# Altium PCB Tag201_GangProgrammerRev1.PcbDoc (part 5 of 7)
Units mil, origin at the board's own origin, x right, y up, seen from the top; angles counter-clockwise.
Board outline 10400 x 10885 mil, 4 copper layers (Top Layer, VCC, GND, Bottom Layer), stack 67.2 mil thick; 874 components, 385 nets, 2980 pads, 650 vias.
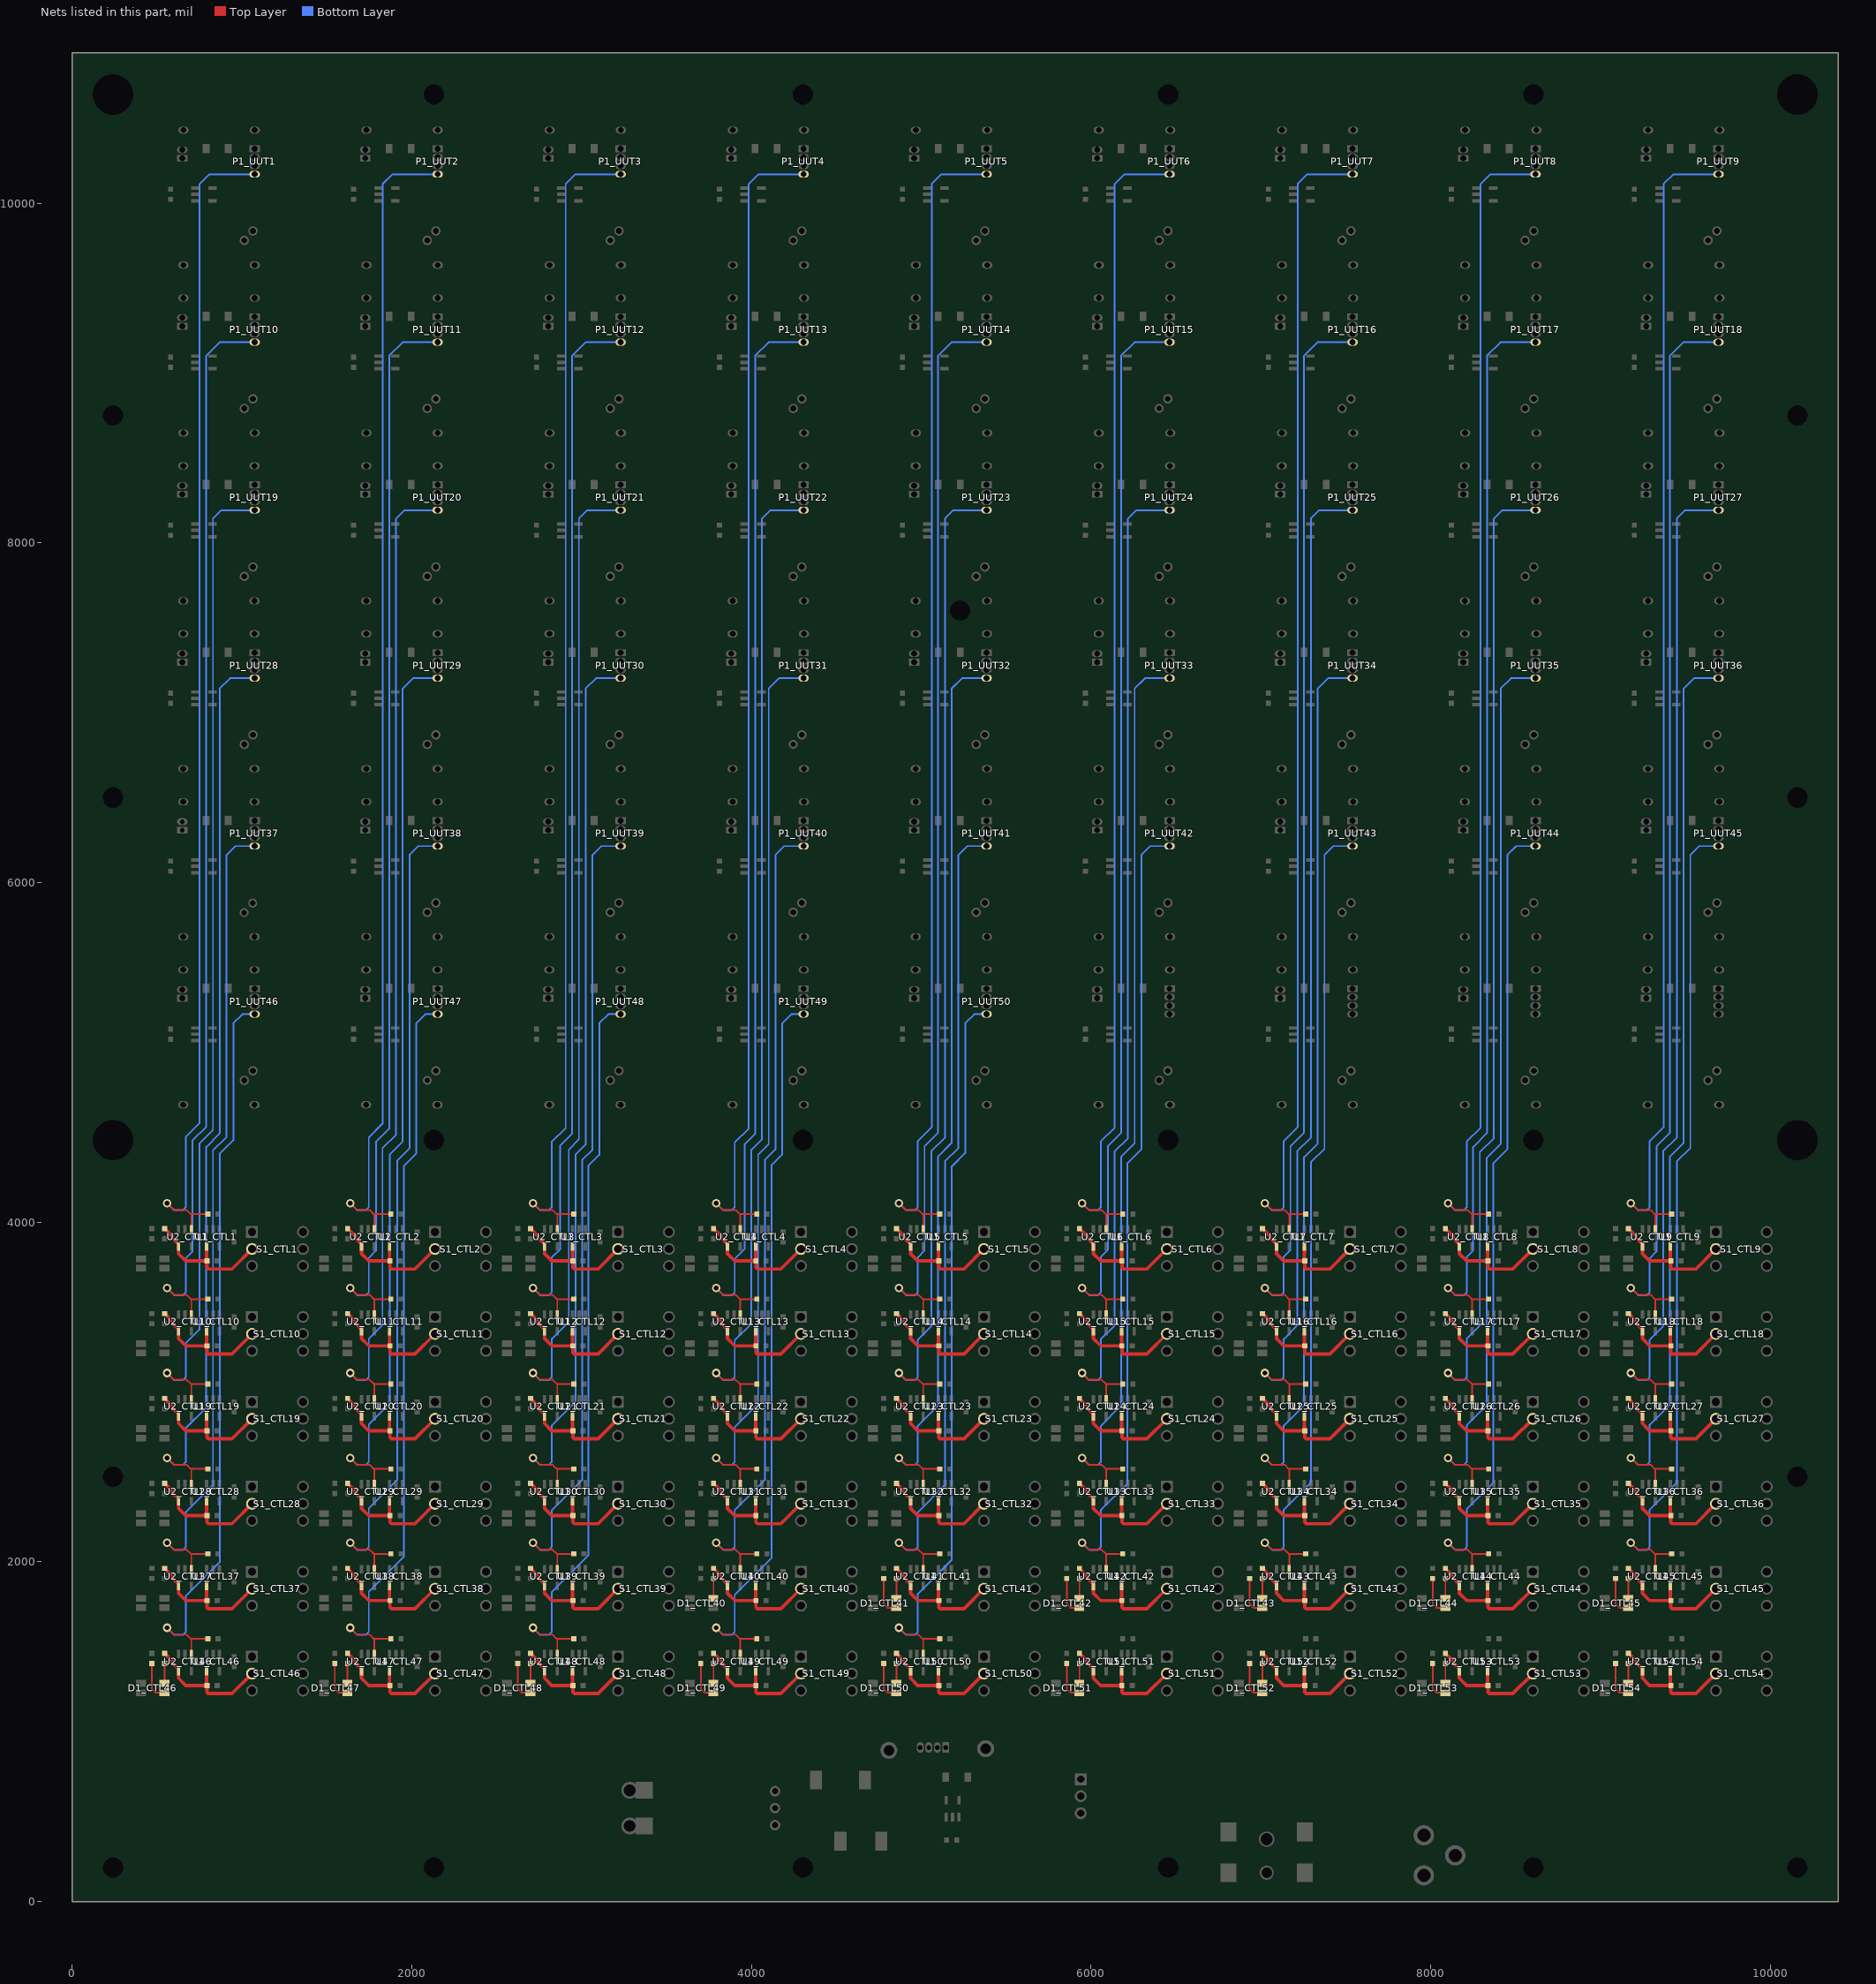
[diagram p7: the nets of this part, all layers, seen from the top]

## Via types
v1: diameter 50, hole 28, Top Layer to Bottom Layer, tented both sides, 650 vias

## Nets (pads, with @x,y where several pads share a name; then routed paths per layer and width w, separated by ;. In a path a pad name is that pad's centre, name@x,y a point inside that pad or via, vN(x,y) a via of type N, cw(c..) or ccw(c..) an arc to the next point about the centre after c; other vN are vias at no path point) (continued)
NetD1_CTL40_2: D1_CTL40.2 R2_CTL40.1 | length 116.3
  Top Layer w10: D1_CTL40.2@3776.5,1785.66 R2_CTL40.1@3776.5,1902
NetD1_CTL41_1: D1_CTL41.1 R1_CTL41.1 | length 233.2
  Top Layer w10: R1_CTL41.1@4779,1902 4779,1752 4801.56,1729.44 D1_CTL41.1@4852.9,1729.44
NetD1_CTL41_2: D1_CTL41.2 R2_CTL41.1 | length 116.3
  Top Layer w10: D1_CTL41.2@4854,1785.66 R2_CTL41.1@4854,1902
NetD1_CTL42_1: D1_CTL42.1 R1_CTL42.1 | length 233.2
  Top Layer w10: R1_CTL42.1@5856.5,1902 5856.5,1752 5879.06,1729.44 D1_CTL42.1@5930.4,1729.44
NetD1_CTL42_2: D1_CTL42.2 R2_CTL42.1 | length 116.3
  Top Layer w10: D1_CTL42.2@5931.5,1785.66 R2_CTL42.1@5931.5,1902
NetD1_CTL43_1: D1_CTL43.1 R1_CTL43.1 | length 233.2
  Top Layer w10: R1_CTL43.1@6934,1902 6934,1752 6956.56,1729.44 D1_CTL43.1@7007.9,1729.44
NetD1_CTL43_2: D1_CTL43.2 R2_CTL43.1 | length 116.3
  Top Layer w10: D1_CTL43.2@7009,1785.66 R2_CTL43.1@7009,1902
NetD1_CTL44_1: D1_CTL44.1 R1_CTL44.1 | length 233.2
  Top Layer w10: R1_CTL44.1@8011.5,1902 8011.5,1752 8034.06,1729.44 D1_CTL44.1@8085.4,1729.44
NetD1_CTL44_2: D1_CTL44.2 R2_CTL44.1 | length 116.3
  Top Layer w10: D1_CTL44.2@8086.5,1785.66 R2_CTL44.1@8086.5,1902
NetD1_CTL45_1: D1_CTL45.1 R1_CTL45.1 | length 233.2
  Top Layer w10: R1_CTL45.1@9089,1902 9089,1752 9111.56,1729.44 D1_CTL45.1@9162.9,1729.44
NetD1_CTL45_2: D1_CTL45.2 R2_CTL45.1 | length 116.3
  Top Layer w10: D1_CTL45.2@9164,1785.66 R2_CTL45.1@9164,1902
NetD1_CTL46_1: D1_CTL46.1 R1_CTL46.1 | length 233.2
  Top Layer w10: R1_CTL46.1@469,1402 469,1252 491.56,1229.44 D1_CTL46.1@542.9,1229.44
NetD1_CTL46_2: D1_CTL46.2 R2_CTL46.1 | length 116.3
  Top Layer w10: D1_CTL46.2@544,1285.66 R2_CTL46.1@544,1402
NetD1_CTL47_1: D1_CTL47.1 R1_CTL47.1 | length 233.2
  Top Layer w10: R1_CTL47.1@1546.5,1402 1546.5,1252 1569.06,1229.44 D1_CTL47.1@1620.4,1229.44
NetD1_CTL47_2: D1_CTL47.2 R2_CTL47.1 | length 116.3
  Top Layer w10: D1_CTL47.2@1621.5,1285.66 R2_CTL47.1@1621.5,1402
NetD1_CTL48_1: D1_CTL48.1 R1_CTL48.1 | length 233.2
  Top Layer w10: R1_CTL48.1@2624,1402 2624,1252 2646.56,1229.44 D1_CTL48.1@2697.9,1229.44
NetD1_CTL48_2: D1_CTL48.2 R2_CTL48.1 | length 116.3
  Top Layer w10: D1_CTL48.2@2699,1285.66 R2_CTL48.1@2699,1402
NetD1_CTL49_1: D1_CTL49.1 R1_CTL49.1 | length 233.2
  Top Layer w10: R1_CTL49.1@3701.5,1402 3701.5,1252 3724.06,1229.44 D1_CTL49.1@3775.4,1229.44
NetD1_CTL49_2: D1_CTL49.2 R2_CTL49.1 | length 116.3
  Top Layer w10: D1_CTL49.2@3776.5,1285.66 R2_CTL49.1@3776.5,1402
NetD1_CTL50_1: D1_CTL50.1 R1_CTL50.1 | length 233.2
  Top Layer w10: R1_CTL50.1@4779,1402 4779,1252 4801.56,1229.44 D1_CTL50.1@4852.9,1229.44
NetD1_CTL50_2: D1_CTL50.2 R2_CTL50.1 | length 116.3
  Top Layer w10: D1_CTL50.2@4854,1285.66 R2_CTL50.1@4854,1402
NetD1_CTL51_1: D1_CTL51.1 R1_CTL51.1 | length 233.2
  Top Layer w10: R1_CTL51.1@5856.5,1402 5856.5,1252 5879.06,1229.44 D1_CTL51.1@5930.4,1229.44
NetD1_CTL51_2: D1_CTL51.2 R2_CTL51.1 | length 116.3
  Top Layer w10: D1_CTL51.2@5931.5,1285.66 R2_CTL51.1@5931.5,1402
NetD1_CTL52_1: D1_CTL52.1 R1_CTL52.1 | length 233.2
  Top Layer w10: R1_CTL52.1@6934,1402 6934,1252 6956.56,1229.44 D1_CTL52.1@7007.9,1229.44
NetD1_CTL52_2: D1_CTL52.2 R2_CTL52.1 | length 116.3
  Top Layer w10: D1_CTL52.2@7009,1285.66 R2_CTL52.1@7009,1402
NetD1_CTL53_1: D1_CTL53.1 R1_CTL53.1 | length 233.2
  Top Layer w10: R1_CTL53.1@8011.5,1402 8011.5,1252 8034.06,1229.44 D1_CTL53.1@8085.4,1229.44
NetD1_CTL53_2: D1_CTL53.2 R2_CTL53.1 | length 116.3
  Top Layer w10: D1_CTL53.2@8086.5,1285.66 R2_CTL53.1@8086.5,1402
NetD1_CTL54_1: D1_CTL54.1 R1_CTL54.1 | length 233.2
  Top Layer w10: R1_CTL54.1@9089,1402 9089,1252 9111.56,1229.44 D1_CTL54.1@9162.9,1229.44
NetD1_CTL54_2: D1_CTL54.2 R2_CTL54.1 | length 116.3
  Top Layer w10: D1_CTL54.2@9164,1285.66 R2_CTL54.1@9164,1402
NetR2_CTL1_2: R2_CTL1.2 R3_CTL1.1 S1_CTL1.2 U1_CTL1.4 U2_CTL1.4 | length 814.9
  Top Layer w10: R3_CTL1.1@791.5,3769.5 791.5,3772 R3_CTL1.1@791.5,3774.5
  Top Layer w20: R2_CTL1.2@544,3962 589,3917 589,3907 626.5,3869.5 U2_CTL1.4@626.5,3857 626.5,3814.5 669,3772 791.5,3772 R3_CTL1.1@794,3772 ; U1_CTL1.4@791.5,3857 791.5,3774.5 R3_CTL1.1@794,3772 ; S1_CTL1.2@1059,3842 941.09,3724.09 801.91,3724.09 794,3732 R3_CTL1.1@794,3772
NetR2_CTL2_2: R2_CTL2.2 R3_CTL2.1 S1_CTL2.2 U1_CTL2.4 U2_CTL2.4 | length 814.9
  Top Layer w10: R3_CTL2.1@1869,3769.5 1869,3772 R3_CTL2.1@1869,3774.5
  Top Layer w20: R2_CTL2.2@1621.5,3962 1666.5,3917 1666.5,3907 1704,3869.5 U2_CTL2.4@1704,3857 1704,3814.5 1746.5,3772 1869,3772 R3_CTL2.1@1871.5,3772 ; U1_CTL2.4@1869,3857 1869,3774.5 R3_CTL2.1@1871.5,3772 ; S1_CTL2.2@2136.5,3842 2018.59,3724.09 1879.41,3724.09 1871.5,3732 R3_CTL2.1@1871.5,3772
NetR2_CTL3_2: R2_CTL3.2 R3_CTL3.1 S1_CTL3.2 U1_CTL3.4 U2_CTL3.4 | length 814.9
  Top Layer w10: R3_CTL3.1@2946.5,3769.5 2946.5,3772 R3_CTL3.1@2946.5,3774.5
  Top Layer w20: R2_CTL3.2@2699,3962 2744,3917 2744,3907 2781.5,3869.5 U2_CTL3.4@2781.5,3857 2781.5,3814.5 2824,3772 2946.5,3772 R3_CTL3.1@2949,3772 ; U1_CTL3.4@2946.5,3857 2946.5,3774.5 R3_CTL3.1@2949,3772 ; S1_CTL3.2@3214,3842 3096.09,3724.09 2956.91,3724.09 2949,3732 R3_CTL3.1@2949,3772
NetR2_CTL4_2: R2_CTL4.2 R3_CTL4.1 S1_CTL4.2 U1_CTL4.4 U2_CTL4.4 | length 814.9
  Top Layer w10: R3_CTL4.1@4024,3769.5 4024,3772 R3_CTL4.1@4024,3774.5
  Top Layer w20: R2_CTL4.2@3776.5,3962 3821.5,3917 3821.5,3907 3859,3869.5 U2_CTL4.4@3859,3857 3859,3814.5 3901.5,3772 4024,3772 R3_CTL4.1@4026.5,3772 ; U1_CTL4.4@4024,3857 4024,3774.5 R3_CTL4.1@4026.5,3772 ; S1_CTL4.2@4291.5,3842 4173.59,3724.09 4034.41,3724.09 4026.5,3732 R3_CTL4.1@4026.5,3772
NetR2_CTL5_2: R2_CTL5.2 R3_CTL5.1 S1_CTL5.2 U1_CTL5.4 U2_CTL5.4 | length 814.9
  Top Layer w10: R3_CTL5.1@5101.5,3769.5 5101.5,3772 R3_CTL5.1@5101.5,3774.5
  Top Layer w20: R2_CTL5.2@4854,3962 4899,3917 4899,3907 4936.5,3869.5 U2_CTL5.4@4936.5,3857 4936.5,3814.5 4979,3772 5101.5,3772 R3_CTL5.1@5104,3772 ; U1_CTL5.4@5101.5,3857 5101.5,3774.5 R3_CTL5.1@5104,3772 ; S1_CTL5.2@5369,3842 5251.09,3724.09 5111.91,3724.09 5104,3732 R3_CTL5.1@5104,3772
NetR2_CTL6_2: R2_CTL6.2 R3_CTL6.1 S1_CTL6.2 U1_CTL6.4 U2_CTL6.4 | length 814.9
  Top Layer w10: R3_CTL6.1@6179,3769.5 6179,3772 R3_CTL6.1@6179,3774.5
  Top Layer w20: R2_CTL6.2@5931.5,3962 5976.5,3917 5976.5,3907 6014,3869.5 U2_CTL6.4@6014,3857 6014,3814.5 6056.5,3772 6179,3772 R3_CTL6.1@6181.5,3772 ; U1_CTL6.4@6179,3857 6179,3774.5 R3_CTL6.1@6181.5,3772 ; S1_CTL6.2@6446.5,3842 6328.59,3724.09 6189.41,3724.09 6181.5,3732 R3_CTL6.1@6181.5,3772
NetR2_CTL7_2: R2_CTL7.2 R3_CTL7.1 S1_CTL7.2 U1_CTL7.4 U2_CTL7.4 | length 814.9
  Top Layer w10: R3_CTL7.1@7256.5,3769.5 7256.5,3772 R3_CTL7.1@7256.5,3774.5
  Top Layer w20: R2_CTL7.2@7009,3962 7054,3917 7054,3907 7091.5,3869.5 U2_CTL7.4@7091.5,3857 7091.5,3814.5 7134,3772 7256.5,3772 R3_CTL7.1@7259,3772 ; U1_CTL7.4@7256.5,3857 7256.5,3774.5 R3_CTL7.1@7259,3772 ; S1_CTL7.2@7524,3842 7406.09,3724.09 7266.91,3724.09 7259,3732 R3_CTL7.1@7259,3772
NetR2_CTL8_2: R2_CTL8.2 R3_CTL8.1 S1_CTL8.2 U1_CTL8.4 U2_CTL8.4 | length 814.9
  Top Layer w10: R3_CTL8.1@8334,3769.5 8334,3772 R3_CTL8.1@8334,3774.5
  Top Layer w20: R2_CTL8.2@8086.5,3962 8131.5,3917 8131.5,3907 8169,3869.5 U2_CTL8.4@8169,3857 8169,3814.5 8211.5,3772 8334,3772 R3_CTL8.1@8336.5,3772 ; U1_CTL8.4@8334,3857 8334,3774.5 R3_CTL8.1@8336.5,3772 ; S1_CTL8.2@8601.5,3842 8483.59,3724.09 8344.41,3724.09 8336.5,3732 R3_CTL8.1@8336.5,3772
NetR2_CTL9_2: R2_CTL9.2 R3_CTL9.1 S1_CTL9.2 U1_CTL9.4 U2_CTL9.4 | length 814.9
  Top Layer w10: R3_CTL9.1@9411.5,3769.5 9411.5,3772 R3_CTL9.1@9411.5,3774.5
  Top Layer w20: R2_CTL9.2@9164,3962 9209,3917 9209,3907 9246.5,3869.5 U2_CTL9.4@9246.5,3857 9246.5,3814.5 9289,3772 9411.5,3772 R3_CTL9.1@9414,3772 ; U1_CTL9.4@9411.5,3857 9411.5,3774.5 R3_CTL9.1@9414,3772 ; S1_CTL9.2@9679,3842 9561.09,3724.09 9421.91,3724.09 9414,3732 R3_CTL9.1@9414,3772
NetR2_CTL10_2: R2_CTL10.2 R3_CTL10.1 S1_CTL10.2 U1_CTL10.4 U2_CTL10.4 | length 814.9
  Top Layer w10: R3_CTL10.1@791.5,3269.5 791.5,3272 R3_CTL10.1@791.5,3274.5
  Top Layer w20: R2_CTL10.2@544,3462 589,3417 589,3407 626.5,3369.5 U2_CTL10.4@626.5,3357 626.5,3314.5 669,3272 791.5,3272 R3_CTL10.1@794,3272 ; U1_CTL10.4@791.5,3357 791.5,3274.5 R3_CTL10.1@794,3272 ; S1_CTL10.2@1059,3342 941.09,3224.09 801.91,3224.09 794,3232 R3_CTL10.1@794,3272
NetR2_CTL11_2: R2_CTL11.2 R3_CTL11.1 S1_CTL11.2 U1_CTL11.4 U2_CTL11.4 | length 814.9
  Top Layer w10: R3_CTL11.1@1869,3269.5 1869,3272 R3_CTL11.1@1869,3274.5
  Top Layer w20: R2_CTL11.2@1621.5,3462 1666.5,3417 1666.5,3407 1704,3369.5 U2_CTL11.4@1704,3357 1704,3314.5 1746.5,3272 1869,3272 R3_CTL11.1@1871.5,3272 ; U1_CTL11.4@1869,3357 1869,3274.5 R3_CTL11.1@1871.5,3272 ; S1_CTL11.2@2136.5,3342 2018.59,3224.09 1879.41,3224.09 1871.5,3232 R3_CTL11.1@1871.5,3272
NetR2_CTL12_2: R2_CTL12.2 R3_CTL12.1 S1_CTL12.2 U1_CTL12.4 U2_CTL12.4 | length 814.9
  Top Layer w10: R3_CTL12.1@2946.5,3269.5 2946.5,3272 R3_CTL12.1@2946.5,3274.5
  Top Layer w20: R2_CTL12.2@2699,3462 2744,3417 2744,3407 2781.5,3369.5 U2_CTL12.4@2781.5,3357 2781.5,3314.5 2824,3272 2946.5,3272 R3_CTL12.1@2949,3272 ; U1_CTL12.4@2946.5,3357 2946.5,3274.5 R3_CTL12.1@2949,3272 ; S1_CTL12.2@3214,3342 3096.09,3224.09 2956.91,3224.09 2949,3232 R3_CTL12.1@2949,3272
NetR2_CTL13_2: R2_CTL13.2 R3_CTL13.1 S1_CTL13.2 U1_CTL13.4 U2_CTL13.4 | length 814.9
  Top Layer w10: R3_CTL13.1@4024,3269.5 4024,3272 R3_CTL13.1@4024,3274.5
  Top Layer w20: R2_CTL13.2@3776.5,3462 3821.5,3417 3821.5,3407 3859,3369.5 U2_CTL13.4@3859,3357 3859,3314.5 3901.5,3272 4024,3272 R3_CTL13.1@4026.5,3272 ; U1_CTL13.4@4024,3357 4024,3274.5 R3_CTL13.1@4026.5,3272 ; S1_CTL13.2@4291.5,3342 4173.59,3224.09 4034.41,3224.09 4026.5,3232 R3_CTL13.1@4026.5,3272
NetR2_CTL14_2: R2_CTL14.2 R3_CTL14.1 S1_CTL14.2 U1_CTL14.4 U2_CTL14.4 | length 814.9
  Top Layer w10: R3_CTL14.1@5101.5,3269.5 5101.5,3272 R3_CTL14.1@5101.5,3274.5
  Top Layer w20: R2_CTL14.2@4854,3462 4899,3417 4899,3407 4936.5,3369.5 U2_CTL14.4@4936.5,3357 4936.5,3314.5 4979,3272 5101.5,3272 R3_CTL14.1@5104,3272 ; U1_CTL14.4@5101.5,3357 5101.5,3274.5 R3_CTL14.1@5104,3272 ; S1_CTL14.2@5369,3342 5251.09,3224.09 5111.91,3224.09 5104,3232 R3_CTL14.1@5104,3272
NetR2_CTL15_2: R2_CTL15.2 R3_CTL15.1 S1_CTL15.2 U1_CTL15.4 U2_CTL15.4 | length 814.9
  Top Layer w10: R3_CTL15.1@6179,3269.5 6179,3272 R3_CTL15.1@6179,3274.5
  Top Layer w20: R2_CTL15.2@5931.5,3462 5976.5,3417 5976.5,3407 6014,3369.5 U2_CTL15.4@6014,3357 6014,3314.5 6056.5,3272 6179,3272 R3_CTL15.1@6181.5,3272 ; U1_CTL15.4@6179,3357 6179,3274.5 R3_CTL15.1@6181.5,3272 ; S1_CTL15.2@6446.5,3342 6328.59,3224.09 6189.41,3224.09 6181.5,3232 R3_CTL15.1@6181.5,3272
NetR2_CTL16_2: R2_CTL16.2 R3_CTL16.1 S1_CTL16.2 U1_CTL16.4 U2_CTL16.4 | length 814.9
  Top Layer w10: R3_CTL16.1@7256.5,3269.5 7256.5,3272 R3_CTL16.1@7256.5,3274.5
  Top Layer w20: R2_CTL16.2@7009,3462 7054,3417 7054,3407 7091.5,3369.5 U2_CTL16.4@7091.5,3357 7091.5,3314.5 7134,3272 7256.5,3272 R3_CTL16.1@7259,3272 ; U1_CTL16.4@7256.5,3357 7256.5,3274.5 R3_CTL16.1@7259,3272 ; S1_CTL16.2@7524,3342 7406.09,3224.09 7266.91,3224.09 7259,3232 R3_CTL16.1@7259,3272
NetR2_CTL17_2: R2_CTL17.2 R3_CTL17.1 S1_CTL17.2 U1_CTL17.4 U2_CTL17.4 | length 814.9
  Top Layer w10: R3_CTL17.1@8334,3269.5 8334,3272 R3_CTL17.1@8334,3274.5
  Top Layer w20: R2_CTL17.2@8086.5,3462 8131.5,3417 8131.5,3407 8169,3369.5 U2_CTL17.4@8169,3357 8169,3314.5 8211.5,3272 8334,3272 R3_CTL17.1@8336.5,3272 ; U1_CTL17.4@8334,3357 8334,3274.5 R3_CTL17.1@8336.5,3272 ; S1_CTL17.2@8601.5,3342 8483.59,3224.09 8344.41,3224.09 8336.5,3232 R3_CTL17.1@8336.5,3272
NetR2_CTL18_2: R2_CTL18.2 R3_CTL18.1 S1_CTL18.2 U1_CTL18.4 U2_CTL18.4 | length 814.9
  Top Layer w10: R3_CTL18.1@9411.5,3269.5 9411.5,3272 R3_CTL18.1@9411.5,3274.5
  Top Layer w20: R2_CTL18.2@9164,3462 9209,3417 9209,3407 9246.5,3369.5 U2_CTL18.4@9246.5,3357 9246.5,3314.5 9289,3272 9411.5,3272 R3_CTL18.1@9414,3272 ; U1_CTL18.4@9411.5,3357 9411.5,3274.5 R3_CTL18.1@9414,3272 ; S1_CTL18.2@9679,3342 9561.09,3224.09 9421.91,3224.09 9414,3232 R3_CTL18.1@9414,3272
NetR2_CTL19_2: R2_CTL19.2 R3_CTL19.1 S1_CTL19.2 U1_CTL19.4 U2_CTL19.4 | length 814.9
  Top Layer w10: R3_CTL19.1@791.5,2769.5 791.5,2772 R3_CTL19.1@791.5,2774.5
  Top Layer w20: R2_CTL19.2@544,2962 589,2917 589,2907 626.5,2869.5 U2_CTL19.4@626.5,2857 626.5,2814.5 669,2772 791.5,2772 R3_CTL19.1@794,2772 ; U1_CTL19.4@791.5,2857 791.5,2774.5 R3_CTL19.1@794,2772 ; S1_CTL19.2@1059,2842 941.09,2724.09 801.91,2724.09 794,2732 R3_CTL19.1@794,2772
NetR2_CTL20_2: R2_CTL20.2 R3_CTL20.1 S1_CTL20.2 U1_CTL20.4 U2_CTL20.4 | length 814.9
  Top Layer w10: R3_CTL20.1@1869,2769.5 1869,2772 R3_CTL20.1@1869,2774.5
  Top Layer w20: R2_CTL20.2@1621.5,2962 1666.5,2917 1666.5,2907 1704,2869.5 U2_CTL20.4@1704,2857 1704,2814.5 1746.5,2772 1869,2772 R3_CTL20.1@1871.5,2772 ; U1_CTL20.4@1869,2857 1869,2774.5 R3_CTL20.1@1871.5,2772 ; S1_CTL20.2@2136.5,2842 2018.59,2724.09 1879.41,2724.09 1871.5,2732 R3_CTL20.1@1871.5,2772
NetR2_CTL21_2: R2_CTL21.2 R3_CTL21.1 S1_CTL21.2 U1_CTL21.4 U2_CTL21.4 | length 814.9
  Top Layer w10: R3_CTL21.1@2946.5,2769.5 2946.5,2772 R3_CTL21.1@2946.5,2774.5
  Top Layer w20: R2_CTL21.2@2699,2962 2744,2917 2744,2907 2781.5,2869.5 U2_CTL21.4@2781.5,2857 2781.5,2814.5 2824,2772 2946.5,2772 R3_CTL21.1@2949,2772 ; U1_CTL21.4@2946.5,2857 2946.5,2774.5 R3_CTL21.1@2949,2772 ; S1_CTL21.2@3214,2842 3096.09,2724.09 2956.91,2724.09 2949,2732 R3_CTL21.1@2949,2772
NetR2_CTL22_2: R2_CTL22.2 R3_CTL22.1 S1_CTL22.2 U1_CTL22.4 U2_CTL22.4 | length 814.9
  Top Layer w10: R3_CTL22.1@4024,2769.5 4024,2772 R3_CTL22.1@4024,2774.5
  Top Layer w20: R2_CTL22.2@3776.5,2962 3821.5,2917 3821.5,2907 3859,2869.5 U2_CTL22.4@3859,2857 3859,2814.5 3901.5,2772 4024,2772 R3_CTL22.1@4026.5,2772 ; U1_CTL22.4@4024,2857 4024,2774.5 R3_CTL22.1@4026.5,2772 ; S1_CTL22.2@4291.5,2842 4173.59,2724.09 4034.41,2724.09 4026.5,2732 R3_CTL22.1@4026.5,2772
NetR2_CTL23_2: R2_CTL23.2 R3_CTL23.1 S1_CTL23.2 U1_CTL23.4 U2_CTL23.4 | length 814.9
  Top Layer w10: R3_CTL23.1@5101.5,2769.5 5101.5,2772 R3_CTL23.1@5101.5,2774.5
  Top Layer w20: R2_CTL23.2@4854,2962 4899,2917 4899,2907 4936.5,2869.5 U2_CTL23.4@4936.5,2857 4936.5,2814.5 4979,2772 5101.5,2772 R3_CTL23.1@5104,2772 ; U1_CTL23.4@5101.5,2857 5101.5,2774.5 R3_CTL23.1@5104,2772 ; S1_CTL23.2@5369,2842 5251.09,2724.09 5111.91,2724.09 5104,2732 R3_CTL23.1@5104,2772
NetR2_CTL24_2: R2_CTL24.2 R3_CTL24.1 S1_CTL24.2 U1_CTL24.4 U2_CTL24.4 | length 814.9
  Top Layer w10: R3_CTL24.1@6179,2769.5 6179,2772 R3_CTL24.1@6179,2774.5
  Top Layer w20: R2_CTL24.2@5931.5,2962 5976.5,2917 5976.5,2907 6014,2869.5 U2_CTL24.4@6014,2857 6014,2814.5 6056.5,2772 6179,2772 R3_CTL24.1@6181.5,2772 ; U1_CTL24.4@6179,2857 6179,2774.5 R3_CTL24.1@6181.5,2772 ; S1_CTL24.2@6446.5,2842 6328.59,2724.09 6189.41,2724.09 6181.5,2732 R3_CTL24.1@6181.5,2772
NetR2_CTL25_2: R2_CTL25.2 R3_CTL25.1 S1_CTL25.2 U1_CTL25.4 U2_CTL25.4 | length 814.9
  Top Layer w10: R3_CTL25.1@7256.5,2769.5 7256.5,2772 R3_CTL25.1@7256.5,2774.5
  Top Layer w20: R2_CTL25.2@7009,2962 7054,2917 7054,2907 7091.5,2869.5 U2_CTL25.4@7091.5,2857 7091.5,2814.5 7134,2772 7256.5,2772 R3_CTL25.1@7259,2772 ; U1_CTL25.4@7256.5,2857 7256.5,2774.5 R3_CTL25.1@7259,2772 ; S1_CTL25.2@7524,2842 7406.09,2724.09 7266.91,2724.09 7259,2732 R3_CTL25.1@7259,2772
NetR2_CTL26_2: R2_CTL26.2 R3_CTL26.1 S1_CTL26.2 U1_CTL26.4 U2_CTL26.4 | length 814.9
  Top Layer w10: R3_CTL26.1@8334,2769.5 8334,2772 R3_CTL26.1@8334,2774.5
  Top Layer w20: R2_CTL26.2@8086.5,2962 8131.5,2917 8131.5,2907 8169,2869.5 U2_CTL26.4@8169,2857 8169,2814.5 8211.5,2772 8334,2772 R3_CTL26.1@8336.5,2772 ; U1_CTL26.4@8334,2857 8334,2774.5 R3_CTL26.1@8336.5,2772 ; S1_CTL26.2@8601.5,2842 8483.59,2724.09 8344.41,2724.09 8336.5,2732 R3_CTL26.1@8336.5,2772
NetR2_CTL27_2: R2_CTL27.2 R3_CTL27.1 S1_CTL27.2 U1_CTL27.4 U2_CTL27.4 | length 814.9
  Top Layer w10: R3_CTL27.1@9411.5,2769.5 9411.5,2772 R3_CTL27.1@9411.5,2774.5
  Top Layer w20: R2_CTL27.2@9164,2962 9209,2917 9209,2907 9246.5,2869.5 U2_CTL27.4@9246.5,2857 9246.5,2814.5 9289,2772 9411.5,2772 R3_CTL27.1@9414,2772 ; U1_CTL27.4@9411.5,2857 9411.5,2774.5 R3_CTL27.1@9414,2772 ; S1_CTL27.2@9679,2842 9561.09,2724.09 9421.91,2724.09 9414,2732 R3_CTL27.1@9414,2772
NetR2_CTL28_2: R2_CTL28.2 R3_CTL28.1 S1_CTL28.2 U1_CTL28.4 U2_CTL28.4 | length 814.9
  Top Layer w10: R3_CTL28.1@791.5,2269.5 791.5,2272 R3_CTL28.1@791.5,2274.5
  Top Layer w20: R2_CTL28.2@544,2462 589,2417 589,2407 626.5,2369.5 U2_CTL28.4@626.5,2357 626.5,2314.5 669,2272 791.5,2272 R3_CTL28.1@794,2272 ; U1_CTL28.4@791.5,2357 791.5,2274.5 R3_CTL28.1@794,2272 ; S1_CTL28.2@1059,2342 941.09,2224.09 801.91,2224.09 794,2232 R3_CTL28.1@794,2272
NetR2_CTL29_2: R2_CTL29.2 R3_CTL29.1 S1_CTL29.2 U1_CTL29.4 U2_CTL29.4 | length 814.9
  Top Layer w10: R3_CTL29.1@1869,2269.5 1869,2272 R3_CTL29.1@1869,2274.5
  Top Layer w20: R2_CTL29.2@1621.5,2462 1666.5,2417 1666.5,2407 1704,2369.5 U2_CTL29.4@1704,2357 1704,2314.5 1746.5,2272 1869,2272 R3_CTL29.1@1871.5,2272 ; U1_CTL29.4@1869,2357 1869,2274.5 R3_CTL29.1@1871.5,2272 ; S1_CTL29.2@2136.5,2342 2018.59,2224.09 1879.41,2224.09 1871.5,2232 R3_CTL29.1@1871.5,2272
NetR2_CTL30_2: R2_CTL30.2 R3_CTL30.1 S1_CTL30.2 U1_CTL30.4 U2_CTL30.4 | length 814.9
  Top Layer w10: R3_CTL30.1@2946.5,2269.5 2946.5,2272 R3_CTL30.1@2946.5,2274.5
  Top Layer w20: R2_CTL30.2@2699,2462 2744,2417 2744,2407 2781.5,2369.5 U2_CTL30.4@2781.5,2357 2781.5,2314.5 2824,2272 2946.5,2272 R3_CTL30.1@2949,2272 ; U1_CTL30.4@2946.5,2357 2946.5,2274.5 R3_CTL30.1@2949,2272 ; S1_CTL30.2@3214,2342 3096.09,2224.09 2956.91,2224.09 2949,2232 R3_CTL30.1@2949,2272
NetR2_CTL31_2: R2_CTL31.2 R3_CTL31.1 S1_CTL31.2 U1_CTL31.4 U2_CTL31.4 | length 814.9
  Top Layer w10: R3_CTL31.1@4024,2269.5 4024,2272 R3_CTL31.1@4024,2274.5
  Top Layer w20: R2_CTL31.2@3776.5,2462 3821.5,2417 3821.5,2407 3859,2369.5 U2_CTL31.4@3859,2357 3859,2314.5 3901.5,2272 4024,2272 R3_CTL31.1@4026.5,2272 ; U1_CTL31.4@4024,2357 4024,2274.5 R3_CTL31.1@4026.5,2272 ; S1_CTL31.2@4291.5,2342 4173.59,2224.09 4034.41,2224.09 4026.5,2232 R3_CTL31.1@4026.5,2272
NetR2_CTL32_2: R2_CTL32.2 R3_CTL32.1 S1_CTL32.2 U1_CTL32.4 U2_CTL32.4 | length 814.9
  Top Layer w10: R3_CTL32.1@5101.5,2269.5 5101.5,2272 R3_CTL32.1@5101.5,2274.5
  Top Layer w20: R2_CTL32.2@4854,2462 4899,2417 4899,2407 4936.5,2369.5 U2_CTL32.4@4936.5,2357 4936.5,2314.5 4979,2272 5101.5,2272 R3_CTL32.1@5104,2272 ; U1_CTL32.4@5101.5,2357 5101.5,2274.5 R3_CTL32.1@5104,2272 ; S1_CTL32.2@5369,2342 5251.09,2224.09 5111.91,2224.09 5104,2232 R3_CTL32.1@5104,2272
NetR2_CTL33_2: R2_CTL33.2 R3_CTL33.1 S1_CTL33.2 U1_CTL33.4 U2_CTL33.4 | length 814.9
  Top Layer w10: R3_CTL33.1@6179,2269.5 6179,2272 R3_CTL33.1@6179,2274.5
  Top Layer w20: R2_CTL33.2@5931.5,2462 5976.5,2417 5976.5,2407 6014,2369.5 U2_CTL33.4@6014,2357 6014,2314.5 6056.5,2272 6179,2272 R3_CTL33.1@6181.5,2272 ; U1_CTL33.4@6179,2357 6179,2274.5 R3_CTL33.1@6181.5,2272 ; S1_CTL33.2@6446.5,2342 6328.59,2224.09 6189.41,2224.09 6181.5,2232 R3_CTL33.1@6181.5,2272
NetR2_CTL34_2: R2_CTL34.2 R3_CTL34.1 S1_CTL34.2 U1_CTL34.4 U2_CTL34.4 | length 814.9
  Top Layer w10: R3_CTL34.1@7256.5,2269.5 7256.5,2272 R3_CTL34.1@7256.5,2274.5
  Top Layer w20: R2_CTL34.2@7009,2462 7054,2417 7054,2407 7091.5,2369.5 U2_CTL34.4@7091.5,2357 7091.5,2314.5 7134,2272 7256.5,2272 R3_CTL34.1@7259,2272 ; U1_CTL34.4@7256.5,2357 7256.5,2274.5 R3_CTL34.1@7259,2272 ; S1_CTL34.2@7524,2342 7406.09,2224.09 7266.91,2224.09 7259,2232 R3_CTL34.1@7259,2272
NetR2_CTL35_2: R2_CTL35.2 R3_CTL35.1 S1_CTL35.2 U1_CTL35.4 U2_CTL35.4 | length 814.9
  Top Layer w10: R3_CTL35.1@8334,2269.5 8334,2272 R3_CTL35.1@8334,2274.5
  Top Layer w20: R2_CTL35.2@8086.5,2462 8131.5,2417 8131.5,2407 8169,2369.5 U2_CTL35.4@8169,2357 8169,2314.5 8211.5,2272 8334,2272 R3_CTL35.1@8336.5,2272 ; U1_CTL35.4@8334,2357 8334,2274.5 R3_CTL35.1@8336.5,2272 ; S1_CTL35.2@8601.5,2342 8483.59,2224.09 8344.41,2224.09 8336.5,2232 R3_CTL35.1@8336.5,2272